# Altium PCB PASS Capstone.PcbDoc (part 5 of 6) (continued)
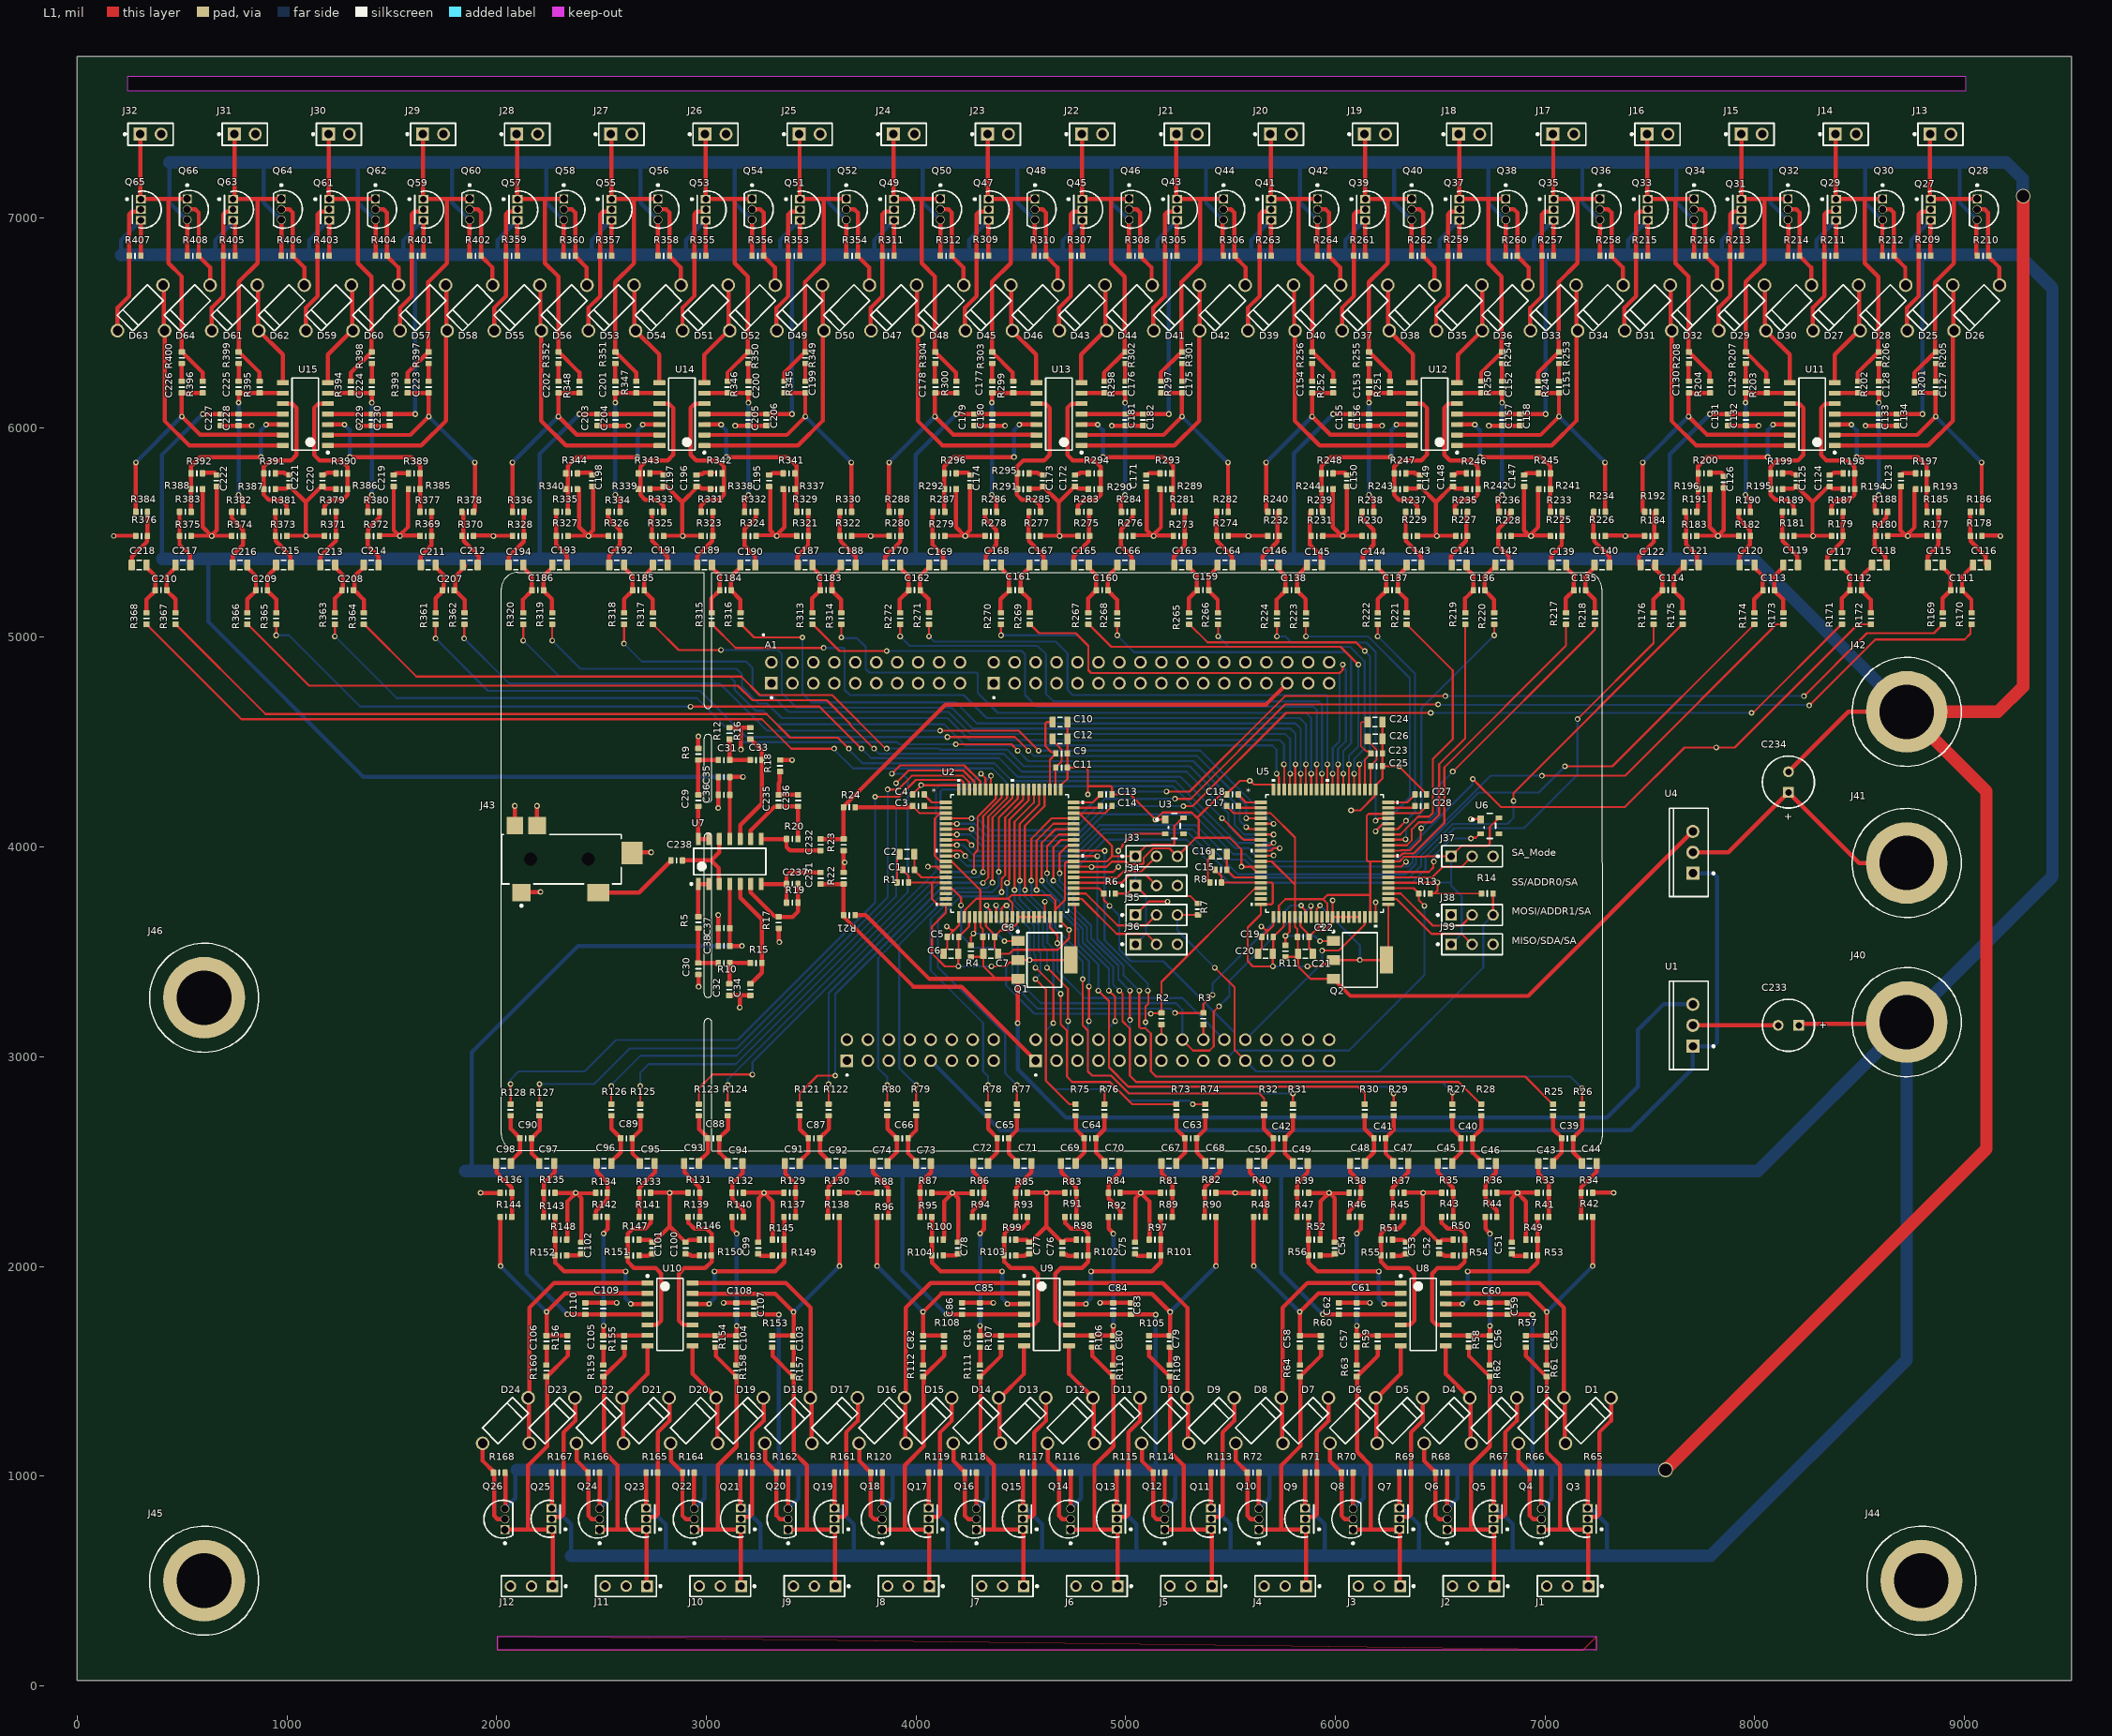
[diagram p0: L1 view]
## Nets (pads, with @x,y where several pads share a name; then routed paths per layer and width w, separated by ;. In a path a pad name is that pad's centre, name@x,y a point inside that pad or via, vN(x,y) a via of type N, cw(c..) or ccw(c..) an arc to the next point about the centre after c; other vN are vias at no path point) (continued)
NetR73_1: R73.1 U2.64 | length 2067.2
  L1 w10: v1(4519.5,3795) 4519.5,4101.19 4613.41,4195.1 U2.64@4613.41,4274.49 ; v1(4690,3300) 4690,3155 4720,3125 4720,2905 4745,2880 4925,2880 5031.22,2773.78 R73.1@5241.43,2773.78
  L2 w10: v1(4519.5,3795) 4519.5,3765.5 4626.5,3658.5 4626.5,3543.5 4655,3515 4655,3335 v1(4690,3300)
NetR74_1: R74.1 U2.65 | length 2220.5
  L1 w10: v1(4495,3840) 4495,4110 4587.82,4202.82 U2.65@4587.82,4274.49 ; v1(4625,3425) 4725,3325 v1(4725,3170) ; v1(5320,2773.78) R74.1@5379.73,2773.78
  L2 w10: v1(4495,3840) 4495,3750 4605,3640 4605,3530 4625,3510 v1(4625,3425) ; v1(4725,3170) 4725,3132.66 4718.67,3126.33 4718.67,2906.33 4745,2880 4924.88,2880 5014.88,2790 5303.78,2790 v1(5320,2773.78)
NetR75_1: R75.1 U2.66 | length 1697.1
  L1 w10: v1(4470,3795) 4470,4120 4562.23,4212.23 U2.66@4562.23,4274.49 ; v1(4570,3370.67) 4620,3320.67 4620,2885.11 4731.34,2773.78 R75.1@4760.99,2773.78
  L2 w10: v1(4470,3795) 4470,3745 4585,3630 4585,3505 4594.5,3495.5 4594.5,3395.17 v1(4570,3370.67)
NetR76_1: R76.1 U2.67 | length 1904
  L1 w10: v1(4434.27,3829.61) 4434.27,3833.24 4445,3843.96 4445,4130 4536.64,4221.64 U2.67@4536.64,4274.49 ; v1(4570,3425) 4655,3340 v1(4655,3160) ; R76.1@4898.91,2773.78 v1(4898.91,2845)
  L2 w10: v1(4434.27,3829.61) 4434.27,3755.63 4562.23,3627.68 4562.23,3491.22 4569.64,3483.81 4569.64,3425.36 v1(4570,3425) ; v1(4655,3160) 4620,3125 4620,2885.86 4660.86,2845 v1(4898.91,2845)
NetR77_1: R77.1 U2.68 | length 1927.8
  L1 w10: v1(4408.68,3785) 4408.68,3848.68 4425,3865 4425,4140.13 4511.05,4226.18 U2.68@4511.05,4274.49 ; R77.1@4481.34,2773.78 v1(4481.34,2865)
  L2 w10: v1(4408.68,3785) 4388.68,3765 4212.83,3765 4105,3657.17 4105,3427.97 4425,3107.97 4425,2921.34 v1(4481.34,2865)
NetR78_1: R78.1 U2.69 | length 1882.3
  L1 w10: R78.1@4343.43,2773.78 v1(4343.43,2865) ; v1(4395,3881.47) 4395,4140.73 4485.46,4231.18 U2.69@4485.46,4274.49
  L2 w10: v1(4343.43,2865) 4343.43,2906.57 4320,2930 4320,3161.51 4070,3411.51 4070,3655.65 4199.35,3785 4363.68,3785 4395,3816.32 v1(4395,3881.47)
NetR79_1: R79.1 U2.70 | length 1845.7
  L1 w10: R79.1@4000.91,2773.78 v1(4000.91,2865) ; v1(4365,3830) 4365,4140 4459.87,4234.87 U2.70@4459.87,4274.49
  L2 w10: v1(4000.91,2865) 3920,2945.91 3920,3535 4189.02,3804.02 4339.02,3804.02 v1(4365,3830)
NetR80_1: R80.1 U2.71 | length 1855.2
  L1 w10: R80.1@3862.99,2773.78 v1(3862.99,2865) ; v1(4320,3829.61) 4345,3854.61 4345,4145.5 4434.27,4234.78 U2.71@4434.27,4274.49
  L2 w10: v1(3862.99,2865) 3862.99,2902.01 3820,2945 3820,3470 4179.61,3829.61 v1(4320,3829.61)
NetR89_1: R89.1 R97.1 R101.1 U9.12 | length 812.4
  L1 w20: U9.12@4730.33,1821.22 v1(4810.03,1821.22) ; v1(4835.03,1976.22) 5125.22,1976.22 5167.92,2018.92 R101.1@5167.92,2052.57 ; R101.1@5167.92,2051.22 5167.92,2126.22 R89.1@5167.92,2236.22
  L2 w20: v1@4810.03,1823.11 4835.03,1848.11 v1(4835.03,1976.22)
NetR91_1: R91.1 R98.1 R102.1 U9.10 | length 775
  L1 w20: R91.1@4711.1,2236.22 4711.18,2236.14 4711.18,2207.82 4739,2180 4797.59,2180 4820.95,2156.65 R98.1@4820.95,2127.57 ; U9.10@4730.33,1721.22 4685.03,1721.22 4665.03,1741.22 4665.03,1966.22 4691.18,1992.37 4791.37,1992.37 4820.95,2021.95 R102.1@4820.95,2052.57 ; R102.1@4820.95,2051.22 R98.1@4820.95,2129.53
NetR93_1: R93.1 R99.1 R103.1 U9.5 | length 776.8
  L1 w20: R103.1@4421.7,2051.22 R99.1@4421.7,2128.18 ; R103.1@4421.7,2052.57 4421.7,2022.29 4451.63,1992.37 4554.92,1992.37 4581.07,1966.22 4581.07,1741.22 4561.07,1721.22 U9.5@4515.76,1721.22 ; R99.1@4422.1,2127.57 4422.1,2156.65 4445.45,2180 4504.05,2180 4531.86,2207.82 R93.1@4531.86,2236.14
NetR95_1: R95.1 R100.1 R104.1 U9.3 | length 816.9
  L1 w20: R100.1@4076.22,2126.22 R95.1@4076.22,2236.22 ; R100.1@4076.22,2127.57 4076.22,2017.78 4117.78,1976.22 v1(4411.07,1976.22) ; v1(4436.07,1821.22) U9.3@4515.76,1821.22
  L2 w20: v1(4411.07,1976.22) 4411.07,1848.11 4436.07,1823.11 v1(4436.07,1821.22)
NetR121_1: R121.1 U2.72 | length 2021.8
  L1 w10: R121.1@3444.63,2773.78 3444.63,2824.63 3530,2910 v1(3615,2910) ; v1(4320,3880.79) 4320,4147.37 4408.68,4236.06 U2.72@4408.68,4274.49
  L2 w10: v1(3615,2910) 3615,3298.72 4171.48,3855.2 4294.41,3855.2 v1(4320,3880.79)
NetR122_1: R122.1 U2.73 | length 1899.4
  L1 w10: R122.1@3583.28,2773.78 v1(3583.28,2870) ; v1(4276.47,3881.47) 4276.47,3966.47 4295,3985 4295,4145 4380.95,4230.95 4380.95,4272.34 U2.73@4383.09,4274.49
  L2 w10: v1(3583.28,2870) 3583.28,3303.28 4161.47,3881.47 v1(4276.47,3881.47)
NetR123_1: R123.1 U2.74 | length 2418.3
  L1 w10: R123.1@2964.19,2773.78 2964.19,2849.19 3030,2915 v1(3220,2915) ; U2.74@4357.5,4274.49 v1(4357.5,4340)
  L2 w10: v1(3220,2915) 3220,2975 4116.77,3871.77 4116.77,4266.77 4124.49,4274.49 4291.99,4274.49 v1(4357.5,4340)
NetR124_1: R124.1 U2.75 | length 2243.7
  L1 w10: R124.1@3102.45,2773.78 v1(3102.45,2865) ; v1(4310,4350) 4331.91,4328.09 U2.75@4331.91,4274.49
  L2 w10: v1(3102.45,2865) 3102.45,2890.66 4095,3883.21 4095,4276.26 4118.74,4300 4260,4300 v1(4310,4350)
NetR125_1: R125.1 U2.76 | length 2916.5
  L1 w10: R125.1@2684.89,2773.78 v1(2684.89,2860) ; v1(3885,4350) 3925,4390 4230,4390 4306.32,4313.68 U2.76@4306.32,4274.49
  L2 w10: v1(2684.89,2860) 2684.89,2924.89 2725,2965 3140,2965 3960,3785 3960,4325 3935,4350 v1(3885,4350)
NetR126_1: R126.1 U2.77 | length 2821
  L1 w10: R126.1@2546.97,2773.78 v1(2546.97,2860) ; v1(3905,4305) 3965,4365 4225.66,4365 4279.34,4311.32 4279.34,4275.88 U2.77@4280.73,4274.49
  L2 w10: v1(2546.97,2860) 2546.97,2864.6 2554.54,2872.17 2554.54,2872.74 2686.8,3005 3145,3005 3905,3765 v1(3905,4305)
NetR127_1: R127.1 U2.78 | length 3104.8
  L1 w10: R127.1@2204.45,2773.78 v1(2204.45,2870) ; v1(3865,4275) 3915,4275 3980,4340 4224.1,4340 4253.26,4310.83 4253.26,4276.36 U2.78@4255.14,4274.49
  L2 w10: v1(2204.45,2870) 2465,2870 2635,3040 3145,3040 3865,3760 v1(3865,4275)
NetR128_1: R128.1 U2.79 | length 3205.3
  L1 w10: R128.1@2066.53,2773.78 v1(2066.53,2870) ; v1(3805,4240) 3919.84,4240 3999.84,4320 4215,4320 4226.08,4308.92 4226.08,4277.95 U2.79@4229.55,4274.49
  L2 w10: v1(2066.53,2870) 2066.53,2891.53 2105,2930 2420,2930 2570,3080 3150,3080 3805,3735 v1(3805,4240)
NetR137_1: R137.1 R145.1 R149.1 U10.12 | length 812.4
  L1 w20: U10.12@2934.33,1821.22 v1(3014.03,1821.22) ; v1(3039.03,1976.22) 3329.22,1976.22 3371.91,2018.92 R149.1@3371.91,2052.57 ; R149.1@3371.91,2051.22 3371.91,2126.22 R137.1@3371.91,2236.22
  L2 w20: v1@3014.03,1823.11 3039.03,1848.11 v1(3039.03,1976.22)
NetR139_1: R139.1 R146.1 R150.1 U10.10 | length 775
  L1 w20: R139.1@2915.1,2236.22 2915.18,2236.14 2915.18,2207.82 2943,2180 3001.59,2180 3024.95,2156.65 R146.1@3024.95,2127.57 ; U10.10@2934.33,1721.22 2889.03,1721.22 2869.03,1741.22 2869.03,1966.22 2895.18,1992.37 2995.37,1992.37 3024.95,2021.95 R150.1@3024.95,2052.57 ; R150.1@3024.95,2051.22 R146.1@3024.95,2129.53
NetR141_1: R141.1 R147.1 R151.1 U10.5 | length 776.8
  L1 w20: R151.1@2625.7,2051.22 R147.1@2625.7,2128.18 ; R151.1@2625.7,2052.57 2625.7,2022.29 2655.63,1992.37 2758.92,1992.37 2785.07,1966.22 2785.07,1741.22 2765.07,1721.22 U10.5@2719.76,1721.22 ; R147.1@2626.1,2127.57 2626.1,2156.65 2649.45,2180 2708.05,2180 2735.86,2207.82 R141.1@2735.86,2236.14
NetR143_1: R143.1 R148.1 R152.1 U10.3 | length 816.9
  L1 w20: R148.1@2280.22,2126.22 R143.1@2280.22,2236.22 ; R148.1@2280.22,2127.57 2280.22,2017.78 2321.78,1976.22 v1(2615.07,1976.22) ; v1(2640.07,1821.22) U10.3@2719.76,1821.22
  L2 w20: v1(2615.07,1976.22) 2615.07,1848.11 2640.07,1823.11 v1(2640.07,1821.22)
NetR169_1: R169.1 U2.4 | length 5184.2
  L1 w10: U2.4@4142.94,4136.69 v1(4265,4136.69) ; v1(5195,4265) 5305,4265 5760,4720 v1(6525,4720) ; v1(8235,4720) 8535,5020 8854.26,5020 R169.1@8896.7,5062.44
  L2 w10: v1(4265,4136.69) 4265.19,4136.5 4293.5,4136.5 4350,4080 4710.42,4080 4895.42,4265 v1(5195,4265) ; v1(6525,4720) v1(8235,4720)
NetR170_1: R170.1 U2.5 | length 5359.3
  L1 w10: U2.5@4142.94,4111.1 v1(4195,4111.1) ; v1(5235,4230) 5310,4230 5760,4680 v1(6490,4680) ; v1(8260,4675) 8575,4990 9001.35,4990 9028.76,5017.41 9028.76,5056.58 R170.1@9034.62,5062.44
  L2 w10: v1(4195,4111.1) 4278.9,4111.1 4335,4055 4726.91,4055 4901.91,4230 v1(5235,4230) ; v1(6490,4680) 6492.5,4677.5 8257.5,4677.5 v1(8260,4675)
NetR171_1: R171.1 U2.6 | length 4724
  L1 w10: U2.6@4142.94,4085.51 v1(4265,4085.51) ; v1(5275.38,4195) 5320,4195 5765,4640 v1(6455,4640) ; v1(7985,4640) 7988.25,4643.25 7995.12,4643.25 8414.31,5062.44 R171.1@8416.27,5062.44
  L2 w10: v1(4265,4085.51) 4320.51,4030 4739.02,4030 4904.02,4195 v1(5275.38,4195) ; v1(6455,4640) v1(7985,4640)
NetR172_1: R172.1 U2.7 | length 5183.1
  L1 w10: U2.7@4142.94,4059.92 v1(4195,4059.92) ; v1(6655.38,4325) 6789.7,4190.68 7380.68,4190.68 7665,4475 v1(7816.35,4475) 7905,4475 8492.44,5062.44 R172.1@8554.18,5062.44
  L2 w10: v1(4195,4059.92) 4260.08,4059.92 4315,4005 4745,4005 4895.72,4155.72 5324.28,4155.72 5513.78,3966.22 5571.76,3966.22 5606.01,3931.97 6286.97,3931.97 6655.38,4300.38 v1(6655.38,4325)
NetR173_1: R173.1 U2.8 | length 4654.7
  L1 w10: U2.8@4142.94,4034.33 4241.95,4034.33 4265,4011.28 v1(4265,4008.74) ; v1(6985,4340) 7381.24,4340 8103.68,5062.44 R173.1@8136.96,5062.44
  L2 w10: v1(4265,4008.74) 4293.74,3980 4749.23,3980 4874.23,4105 5335,4105 5500,3940 5566.97,3940 5600.59,3906.38 6252.82,3906.38 6252.9,3906.3 6346.8,3906.3 6369,3928.5 6369,3968.89 6740.11,4340 v1(6985,4340)
NetR174_1: R174.1 U2.9 | length 4539.5
  L1 w10: U2.9@4142.94,4008.74 v1(4195,4008.74) ; v1(7095,4385) 7321.26,4385 7988.74,5052.48 7988.74,5054.44 7996.74,5062.44 R174.1@7998.7,5062.44
  L2 w10: v1(4195,4008.74) 4196.09,4009.83 4225.17,4009.83 4277.44,3957.56 4757.56,3957.56 4885,4085 5320,4085 5535,3870 6335,3870 6385,3920 6385,3962.26 6682.74,4260 6970,4260 v1(7095,4385)
NetR175_1: R175.1 U2.10 | length 4277.1
  L1 w10: U2.10@4142.94,3983.15 4213.22,3983.15 4235,3961.37 v1(4235,3957.56) ; v1(6850,4220) 6850,4257.88 7654.56,5062.44 R175.1@7656.52,5062.44
  L2 w10: v1(4235,3957.56) 4257.56,3935 4765,3935 4897.49,4067.49 5299.77,4067.49 5513.25,3854 6352.5,3854 6409,3910.5 6409,3959 6560,4110 6820,4110 6850,4140 v1(6850,4220)
NetR176_1: R176.1 U2.11 | length 4283.2
  L1 w10: U2.11@4142.94,3957.56 v1(4195,3957.56) ; v1(7155,4610) 7517.88,4972.88 R176.1@7517.88,5062.44
  L2 w10: v1(4195,3957.56) 4242.56,3910 4775,3910 4900,4035 5290,4035 5495,3830 6365.19,3830 6430,3894.81 6430,3952.37 6567.63,4090 6900,4090 7155,4345 v1(7155,4610)
NetR185_1: R185.1 R193.1 R197.1 U11.3 | length 816.9
  L1 w20: U11.3@8381.39,6015 v1(8461.09,6015) ; v1(8486.09,5860) 8779.38,5860 8820.94,5818.44 R193.1@8820.94,5708.65 ; R185.1@8820.94,5600 R193.1@8820.94,5710
  L2 w20: v1(8461.09,6015) 8461.09,6013.11 8486.09,5988.11 v1(8486.09,5860)
NetR187_1: R187.1 R194.1 R198.1 U11.5 | length 776.8
  L1 w20: R187.1@8365.29,5600.08 8365.29,5628.4 8393.11,5656.22 8451.7,5656.22 8475.06,5679.57 R194.1@8475.06,5708.65 ; U11.5@8381.39,6115 8336.09,6115 8316.09,6095 8316.09,5870 8342.24,5843.85 8445.53,5843.85 8475.45,5813.93 R198.1@8475.45,5783.65 ; R194.1@8475.45,5708.04 R198.1@8475.45,5785
NetR189_1: R189.1 R195.1 R199.1 U11.10 | length 775
  L1 w20: R195.1@8076.21,5706.69 R199.1@8076.21,5785 ; R195.1@8076.21,5708.65 8076.21,5679.57 8099.56,5656.22 8158.16,5656.22 8185.97,5628.4 8185.97,5600.08 R189.1@8186.05,5600 ; R199.1@8076.21,5783.65 8076.21,5814.27 8105.78,5843.85 8205.98,5843.85 8232.13,5870 8232.13,6095 8212.13,6115 U11.10@8166.82,6115
NetR191_1: R191.1 R196.1 R200.1 U11.12 | length 812.4
  L1 w20: R191.1@7729.24,5600 7729.24,5710 R200.1@7729.24,5785 ; R200.1@7729.24,5783.65 7729.24,5817.3 7771.94,5860 v1(8062.13,5860) ; v1(8087.13,6015) U11.12@8166.82,6015
  L2 w20: v1(8062.13,5860) 8062.13,5988.11 v1@8087.13,6013.11
NetR217_1: R217.1 U5.50 | length 1520.2
  L1 w10: U5.50@6252.82,3957.56 6308.97,3957.56 6320.71,3969.3 6374.3,3969.3 6520,4115 6520,4380 7100.25,4960.25 R217.1@7100.25,5062.44
NetR218_1: R218.1 U5.51 | length 1546.7
  L1 w10: U5.51@6252.82,3983.15 6311.93,3983.15 6314.08,3985.3 6356.07,3985.3 6406.75,4035.98 6406.75,4086.75 v1(6410,4090) ; v1(6560,4360) 7238.16,5038.16 R218.1@7238.16,5062.44
  L2 w10: v1(6410,4090) 6485,4165 6485,4285 v1(6560,4360)
NetR219_1: R219.1 U5.52 | length 1292.6
  L1 w10: U5.52@6252.82,4008.74 6341.11,4008.74 6365,4032.63 6365,4085 6398.44,4118.44 6458.44,4118.44 6495,4155 6495,4395 6619.81,4519.81 R219.1@6619.81,5062.44
NetR220_1: R220.1 U5.53 | length 1283.7
  L1 w10: U5.53@6252.82,4034.33 6254.24,4035.75 6333.48,4035.75 v1(6334.9,4037.17) ; v1(6757.73,5010) R220.1@6757.73,5062.44
  L2 w10: v1(6334.9,4037.17) 6337.07,4039.34 6337.07,4090.35 6410,4163.28 6410,4662.27 v1(6757.73,5010)
NetR221_1: R221.1 U5.54 | length 1285.9
  L1 w10: U5.54@6252.82,4059.92 6309.92,4059.92 6395,4145 6447.07,4145 6465,4162.93 6465,4420 6560,4515 6560,4842.6 6350.12,5052.48 6350.12,5054.44 6342.12,5062.44 R221.1@6340.16,5062.44
NetR222_1: R222.1 U5.55 | length 1129.5
  L1 w10: v1(6202.25,5005) R222.1@6202.25,5062.44 ; U5.55@6252.82,4085.51 6297.58,4085.51 v1(6337.07,4125)
  L2 w10: v1(6202.25,5005) 6380,4827.25 6380,4167.93 v1(6337.07,4125)
NetR223_1: R223.1 U5.56 | length 1510.3
  L1 w10: v1(5859.73,5005) R223.1@5859.73,5062.44 ; v1(6191.79,4075) 6191.79,4077.05 6222.38,4107.64 6249.35,4107.64 U5.56@6252.82,4111.1
  L2 w10: v1(5859.73,5005) 6155,5005 6355,4805 6355,4238.21 v1(6191.79,4075)
NetR224_1: R224.1 U5.57 | length 1430
  L1 w10: v1(5721.42,5005) R224.1@5721.42,5062.44 ; v1(6191.79,4125) 6196.39,4125 6208.09,4136.69 U5.57@6252.82,4136.69
  L2 w10: v1(5721.42,5005) 5761.35,5005 5791.35,4975 6147.25,4975 6191.79,4930.45 v1(6191.79,4125)
NetR233_1: R233.1 R241.1 R245.1 U12.3 | length 816.9
  L1 w20: U12.3@6585.39,6015 v1(6665.09,6015) ; v1(6690.09,5860) 6983.38,5860 7024.94,5818.44 R241.1@7024.94,5708.65 ; R233.1@7024.94,5600 R241.1@7024.94,5710
  L2 w20: v1(6665.09,6015) 6665.09,6013.11 6690.09,5988.11 v1(6690.09,5860)
NetR235_1: R235.1 R242.1 R246.1 U12.5 | length 776.8
  L1 w20: R235.1@6569.29,5600.08 6569.29,5628.4 6597.11,5656.22 6655.7,5656.22 6679.06,5679.57 R242.1@6679.06,5708.65 ; U12.5@6585.39,6115 6540.09,6115 6520.09,6095 6520.09,5870 6546.24,5843.85 6649.53,5843.85 6679.45,5813.93 R246.1@6679.45,5783.65 ; R242.1@6679.45,5708.04 R246.1@6679.45,5785
NetR237_1: R237.1 R243.1 R247.1 U12.10 | length 775
  L1 w20: R243.1@6280.21,5706.69 R247.1@6280.21,5785 ; R243.1@6280.21,5708.65 6280.21,5679.57 6303.56,5656.22 6362.15,5656.22 6389.97,5628.4 6389.97,5600.08 R237.1@6390.05,5600 ; R247.1@6280.21,5783.65 6280.21,5814.27 6309.78,5843.85 6409.98,5843.85 6436.13,5870 6436.13,6095 6416.13,6115 U12.10@6370.82,6115
NetR239_1: R239.1 R244.1 R248.1 U12.12 | length 812.4
  L1 w20: R239.1@5933.24,5600 5933.24,5710 R248.1@5933.24,5785 ; R248.1@5933.24,5783.65 5933.24,5817.3 5975.93,5860 v1(6266.13,5860) ; v1(6291.13,6015) U12.12@6370.82,6015
  L2 w20: v1(6266.13,5860) 6266.13,5988.11 v1@6291.13,6013.11
NetR265_1: R265.1 U5.64 | length 1582.6
  L1 w10: R265.1@5302.37,5062.44 5304.33,5062.44 5390.42,4976.35 6098.65,4976.35 v1(6140,4935) ; U5.64@6115.02,4274.49 v1(6115.02,4395)
  L2 w10: v1(6115.02,4395) 6116.06,4395 6165,4443.94 6165,4910 v1(6140,4935)
NetR266_1: R266.1 U5.65 | length 1437.7
  L1 w10: R266.1@5440.28,5062.44 5440.82,5061.91 5440.82,5005.53 v1(5441.35,5005) ; U5.65@6089.43,4274.49 6089.72,4274.77 6089.72,4349.72 v1(6090,4350)
  L2 w10: v1(5441.35,5005) 5491.35,4955 6070,4955 6140,4885 6140,4470 6090,4420 v1(6090,4350)
NetR267_1: R267.1 U5.66 | length 1982.4
  L1 w10: R267.1@4821.93,5062.44 4823.89,5062.44 4931.33,4955 6025,4955 v1(6110,4870) ; U5.66@6063.84,4274.49 6064.42,4275.07 6064.42,4394.42 v1(6065,4395)
  L2 w10: v1(6065,4395) 6065,4435 6110,4480 v1(6110,4870)
NetR268_1: R268.1 U5.67 | length 1856.8
  L1 w10: v1(4959.85,5010) R268.1@4959.85,5062.44 ; U5.67@6038.25,4274.49 v1(6038.25,4350)
  L2 w10: v1(4959.85,5010) 5039.85,4930 6050,4930 6075,4905 6075,4495 6038.25,4458.25 v1(6038.25,4350)
NetR269_1: R269.1 U5.68 | length 2305.6
  L1 w10: R269.1@4542.62,5062.44 4544.58,5062.44 4587.02,5020 4761.93,5020 4821.93,4960 4821.93,4843.07 4835,4830 6020,4830 6035,4845 v1(6035,4870) ; U5.68@6012.66,4274.49 v1(6012.66,4395)
  L2 w10: v1(6012.66,4395) 6012.66,4467.66 6050,4505 6050,4845.64 6038.25,4857.39 6038.25,4866.75 v1(6035,4870)
NetR270_1: R270.1 U5.69 | length 2375.9
  L1 w10: v1(4405.34,5010) R270.1@4405.34,5062.44 ; U5.69@5987.07,4274.49 v1(5987.07,4350)
  L2 w10: v1(4405.34,5010) 4771.93,5010 4821.93,4960 4821.93,4843.07 4835,4830 6014.14,4830 6020,4824.14 6020,4505 5987.48,4472.48 5987.48,4350.41 v1(5987.07,4350)
NetR271_1: R271.1 U5.70 | length 2623.8
  L1 w10: v1(4062.19,5005) R271.1@4062.19,5062.44 R271.1@4064.15,5062.44 ; U5.70@5961.48,4274.49 v1(5961.48,4395)
  L2 w10: v1(4062.19,5005) 4087.19,4980 4666.21,4980 4722.07,4924.14 4722.07,4750 4747.07,4725 5955.62,4725 5961.48,4719.14 v1(5961.48,4395)
NetR272_1: R272.1 U5.71 | length 2719.7
  L1 w10: v1(3924.52,5005) R272.1@3924.52,5062.44 ; U5.71@5935.89,4274.49 v1(5935.89,4350)
  L2 w10: v1(3924.52,5005) 3969.52,4960 4580,4960 4620,4920 4620,4730 4655,4695 5920,4695 5935.89,4679.11 v1(5935.89,4350)
NetR281_1: R281.1 R289.1 R293.1 U13.3 | length 816.9
  L1 w20: U13.3@4787.05,6015 v1(4866.75,6015) ; v1(4891.75,5860) 5185.04,5860 5226.6,5818.44 R289.1@5226.6,5708.65 ; R281.1@5226.6,5600 R289.1@5226.6,5710
  L2 w20: v1(4866.75,6015) 4866.75,6013.11 4891.75,5988.11 v1(4891.75,5860)
NetR283_1: R283.1 R290.1 R294.1 U13.5 | length 776.8
  L1 w20: R283.1@4770.96,5600.08 4770.96,5628.4 4798.77,5656.22 4857.37,5656.22 4880.72,5679.57 R290.1@4880.72,5708.65 ; U13.5@4787.05,6115 4741.75,6115 4721.75,6095 4721.75,5870 4747.9,5843.85 4851.19,5843.85 4881.11,5813.93 R294.1@4881.11,5783.65 ; R290.1@4881.11,5708.04 R294.1@4881.11,5785
NetR285_1: R285.1 R291.1 R295.1 U13.10 | length 775
  L1 w20: R291.1@4481.87,5706.69 R295.1@4481.87,5785 ; R291.1@4481.87,5708.65 4481.87,5679.57 4505.22,5656.22 4563.82,5656.22 4591.63,5628.4 4591.63,5600.08 R285.1@4591.71,5600 ; R295.1@4481.87,5783.65 4481.87,5814.27 4511.45,5843.85 4611.64,5843.85 4637.79,5870 4637.79,6095 4617.79,6115 U13.10@4572.49,6115
NetR287_1: R287.1 R292.1 R296.1 U13.12 | length 812.4
  L1 w20: R287.1@4134.9,5600 4134.9,5710 R296.1@4134.9,5785 ; R296.1@4134.9,5783.65 4134.9,5817.3 4177.6,5860 v1(4467.79,5860) ; v1(4492.79,6015) U13.12@4572.49,6015
  L2 w20: v1(4467.79,5860) 4467.79,5988.11 v1@4492.79,6013.11
NetR313_1: R313.1 U5.72 | length 3068.1
  L1 w10: R313.1@3505.91,5062.44 3507.87,5062.44 3635.31,4935 v1(3860,4935) ; U5.72@5910.3,4274.49 5910.84,4275.03 5910.84,4394.45 v1(5911.39,4395)
  L2 w10: v1(3860,4935) 4504.14,4935 4520,4919.14 4520,4725 4575,4670 5895,4670 5911.39,4653.61 v1(5911.39,4395)
NetR314_1: R314.1 U5.73 | length 2918.2
  L1 w10: v1(3643.83,5000) R314.1@3643.83,5062.44 ; U5.73@5884.71,4274.49 5884.85,4274.63 5884.85,4349.85 v1(5885,4350)
  L2 w10: v1(3643.83,5000) 3647.08,4996.75 3718.25,4996.75 3760,4955 3760,4850 3778.07,4831.93 4289.14,4831.93 4295,4826.08 4295,4735.59 4390.59,4640 5860,4640 5885,4615 v1(5885,4350)
NetR315_1: R315.1 U5.74 | length 3456.9
  L1 w10: R315.1@3025.47,5062.44 3027.43,5062.44 3139.88,4950 v1(3560,4950) ; U5.74@5859.12,4274.49 5859.56,4274.93 5859.56,4394.56 v1(5860,4395)
  L2 w10: v1(3560,4950) 3654.14,4950 3660,4944.14 3660,4750 3685,4725 4227.32,4725 4337.32,4615 5830,4615 5860,4585 v1(5860,4395)
NetR316_1: R316.1 U5.75 | length 3324.9
  L1 w10: R316.1@3163.39,5062.44 3165.35,5062.44 3227.79,5000 v1(3458.82,5000) ; U5.75@5833.53,4274.49 5834.26,4275.23 5834.26,4349.26 v1(5835,4350)
  L2 w10: v1(3458.82,5000) 3458.82,4733.5 3502.32,4690 4190,4690 4290,4590 5810,4590 5835,4565 v1(5835,4350)
NetR317_1: R317.1 U5.76 | length 3656.5
  L1 w10: R317.1@2745.83,5062.44 2747.79,5062.44 2755.79,5054.44 2755.79,5052.48 2868.27,4940 v1(3070,4940) ; U5.76@5807.94,4274.49 5808.97,4275.52 5808.97,4393.97 v1(5810,4395)
  L2 w10: v1(3070,4940) 3340,4940 3360,4920 3360,4735 3430,4665 4170,4665 4270,4565 5785,4565 5810,4540 v1(5810,4395)
NetR318_1: R318.1 U5.77 | length 3757.7
  L1 w10: v1(2607.91,4970) R318.1@2607.91,5062.44 ; U5.77@5782.35,4274.49 5783.41,4275.55 5783.41,4348.94 v1(5784.47,4350)
  L2 w10: v1(2607.91,4970) 2692.91,4885 3190,4885 3220,4855 3220,4755 3255,4720 3317.32,4720 3392.32,4645 4155,4645 4260,4540 5760,4540 5784.47,4515.53 v1(5784.47,4350)
NetR319_1: R319.1 U5.78 | length 4023.5
  L1 w10: v1(2265.39,4985) R319.1@2265.39,5062.44 ; v1(5755,4395) 5755.88,4394.12 5755.88,4275.37 U5.78@5756.76,4274.49
  L2 w10: v1(2265.39,4985) 2400.39,4850 3145,4850 3170,4825 3170,4765 3250,4685 3290,4685 3360,4615 4150,4615 4255,4510 5735,4510 5755,4490 v1(5755,4395)
NetR320_1: R320.1 U5.79 | length 4104.3
  L1 w10: v1(2127.08,4985) R320.1@2127.08,5062.44 ; v1(5720,4350) 5720,4345.4 5731.16,4334.24 U5.79@5731.16,4274.49
  L2 w10: v1(2127.08,4985) 2298.97,4813.11 3111.89,4813.11 3135,4790 3135,4750 3235,4650 3272.44,4650 3337.44,4585 4135,4585 4235,4485 5700,4485 5720,4465 v1(5720,4350)
NetR329_1: R329.1 R337.1 R341.1 U14.3 | length 816.9
  L1 w20: U14.3@2991.05,6015 v1(3070.75,6015) ; v1(3095.75,5860) 3389.04,5860 3430.6,5818.44 R337.1@3430.6,5708.65 ; R329.1@3430.6,5600 R337.1@3430.6,5710
  L2 w20: v1(3070.75,6015) 3070.75,6013.11 3095.75,5988.11 v1(3095.75,5860)
NetR331_1: R331.1 R338.1 R342.1 U14.5 | length 776.8
  L1 w20: R331.1@2974.95,5600.08 2974.95,5628.4 3002.77,5656.22 3061.36,5656.22 3084.72,5679.57 R338.1@3084.72,5708.65 ; U14.5@2991.05,6115 2945.75,6115 2925.75,6095 2925.75,5870 2951.9,5843.85 3055.19,5843.85 3085.11,5813.93 R342.1@3085.11,5783.65 ; R338.1@3085.11,5708.04 R342.1@3085.11,5785
NetR333_1: R333.1 R339.1 R343.1 U14.10 | length 775
  L1 w20: R339.1@2685.87,5706.69 R343.1@2685.87,5785 ; R339.1@2685.87,5708.65 2685.87,5679.57 2709.22,5656.22 2767.82,5656.22 2795.63,5628.4 2795.63,5600.08 R333.1@2795.71,5600 ; R343.1@2685.87,5783.65 2685.87,5814.27 2715.45,5843.85 2815.64,5843.85 2841.79,5870 2841.79,6095 2821.79,6115 U14.10@2776.49,6115
NetR335_1: R335.1 R340.1 R344.1 U14.12 | length 812.4
  L1 w20: R335.1@2338.9,5600 2338.9,5710 R344.1@2338.9,5785 ; R344.1@2338.9,5783.65 2338.9,5817.3 2381.6,5860 v1(2671.79,5860) ; v1(2696.79,6015) U14.12@2776.49,6015
  L2 w20: v1(2671.79,5860) 2671.79,5988.11 v1@2696.79,6013.11
NetR361_1: R361.1 U5.4 | length 4395
  L1 w10: v1(1709.01,4995) R361.1@1709.01,5062.44 ; v1(4150,4525) 4471.64,4525 v1(4536.64,4460) ; v1(5575,4137.78) 5575.55,4137.24 5644,4137.24 U5.4@5644.55,4136.69
  L2 w10: v1(1709.01,4995) 1959.01,4745 2970,4745 3190,4525 v1(4150,4525) ; v1(4536.64,4460) 4561.64,4435 5340,4435 5575,4200 v1(5575,4137.78)
NetR362_1: R362.1 U5.5 | length 4356
  L1 w10: v1(1845,4995) 1845.96,4995.96 1845.96,5061.48 R362.1@1846.92,5062.44 ; v1(4115,4555) 4490,4555 v1(4585,4460) ; U5.5@5644.55,4111.1 v1(5705.57,4111.1)
  L2 w10: v1(1845,4995) 2060,4780 3065,4780 3290,4555 v1(4115,4555) ; v1(4585,4460) 5356.68,4460 v1(5705.57,4111.1)
NetR363_1: R363.1 U5.6 | length 4891.2
  L1 w10: v1(1228.57,5005) R363.1@1228.57,5062.44 ; v1(4190,4490) 4455.46,4490 v1(4485.46,4460) ; v1(5575,4095) 5579.6,4095 5589.09,4085.51 U5.6@5644.55,4085.51
  L2 w10: v1(1228.57,5005) 1523.57,4710 2955,4710 3165,4500 3910,4500 3920,4490 v1(4190,4490) ; v1(4485.46,4460) 4535.46,4410 5322.94,4410 5543.96,4188.98 5543.96,4126.04 v1(5575,4095)
NetR364_1: R364.1 U5.7 | length 4855.4
  L1 w10: R364.1@1366.49,5062.44 1368.45,5062.44 1617.78,4813.11 3166.89,4813.11 3255,4725 3600,4725 3855.5,4469.5 v1(3860,4469.5) ; U5.7@5644.55,4059.92 v1(5705.57,4059.92)
  L2 w10: v1(3860,4469.5) 3861.25,4468.25 3872.61,4468.25 3874.36,4470 4110,4470 4115,4465 4435,4465 4515,4385 5305.89,4385 5520,4170.89 5520,4105 5565.08,4059.92 v1(5705.57,4059.92)
NetR365_1: R365.1 U5.8 | length 5152.2
  L1 w10: v1(948.92,5010) R365.1@948.92,5062.44 ; v1(2925,4670) 3539.5,4670 v1(3740,4469.5) ; v1(5460,4137.78) 5563.45,4034.33 U5.8@5644.55,4034.33
  L2 w10: v1(948.92,5010) 1009.7,5010 1349.7,4670 v1(2925,4670) ; v1(3740,4469.5) 3785.5,4424 4396,4424 4485,4335 5262.78,4335 v1(5460,4137.78)
NetR366_1: R366.1 U5.9 | length 5430.3
  L1 w10: R366.1@811.01,5062.44 812.97,5062.44 1105.41,4770 3150,4770 3220,4700 3575,4700 3685.87,4589.13 3685.87,4583.63 v1(3800,4469.5) ; U5.9@5644.55,4008.74 5689.71,4008.74 5700.97,4020 v1(5705.57,4020)
  L2 w10: v1(3800,4469.5) 3824.5,4445 4420,4445 4505,4360 5290,4360 5490,4160 5490,4100.25 5550.25,4040 5638.88,4040 5658.88,4020 v1(5705.57,4020)
NetR367_1: R367.1 U5.10 | length 5806.7
  L1 w10: R367.1@468.49,5062.44 470.45,5062.44 897.89,4635 3287.44,4635 3400.44,4522 3627.5,4522 v1(3680,4469.5) ; U5.10@5644.55,3983.15 5693.32,3983.15 5705.17,3995 v1(5735,3995)
  L2 w10: v1(3680,4469.5) 3680,4465 3745,4400 4374.27,4400 4459.27,4315 5236.95,4315 5531.95,4020 5610.58,4020 5635.58,3995 v1(5735,3995)
NetR368_1: R368.1 U5.11 | length 5897.9
  L1 w10: R368.1@330.18,5062.44 332.14,5062.44 340.14,5054.44 340.14,5052.48 782.62,4610 3265,4610 3405.5,4469.5 v1(3610,4469.5) ; U5.11@5644.55,3957.56 5645.77,3958.78 5704.35,3958.78 v1(5705.57,3960)
  L2 w10: v1(3610,4469.5) 3610,4465 3700,4375 4365,4375 4450,4290 5226.28,4290 5521.28,3995 5585.12,3995 5620.12,3960 v1(5705.57,3960)
NetR377_1: R377.1 R385.1 R389.1 U15.3 | length 816.9
  L1 w20: U15.3@1195.05,6015 v1(1274.75,6015) ; v1(1299.75,5860) 1593.04,5860 1634.6,5818.44 R385.1@1634.6,5708.65 ; R377.1@1634.6,5600 R385.1@1634.6,5710
  L2 w20: v1(1274.75,6015) 1274.75,6013.11 1299.75,5988.11 v1(1299.75,5860)
NetR379_1: R379.1 R386.1 R390.1 U15.5 | length 776.8
  L1 w20: R379.1@1178.95,5600.08 1178.95,5628.4 1206.77,5656.22 1265.36,5656.22 1288.72,5679.57 R386.1@1288.72,5708.65 ; U15.5@1195.05,6115 1149.75,6115 1129.75,6095 1129.75,5870 1155.9,5843.85 1259.19,5843.85 1289.11,5813.93 R390.1@1289.11,5783.65 ; R386.1@1289.11,5708.04 R390.1@1289.11,5785
NetR381_1: R381.1 R387.1 R391.1 U15.10 | length 775
  L1 w20: R387.1@889.87,5706.69 R391.1@889.87,5785 ; R387.1@889.87,5708.65 889.87,5679.57 913.22,5656.22 971.82,5656.22 999.63,5628.4 999.63,5600.08 R381.1@999.71,5600 ; R391.1@889.87,5783.65 889.87,5814.27 919.45,5843.85 1019.64,5843.85 1045.79,5870 1045.79,6095 1025.79,6115 U15.10@980.48,6115
NetR383_1: R383.1 R388.1 R392.1 U15.12 | length 812.4
  L1 w20: R383.1@542.9,5600 542.9,5710 R392.1@542.9,5785 ; R392.1@542.9,5783.65 542.9,5817.3 585.6,5860 v1(875.79,5860) ; v1(900.79,6015) U15.12@980.48,6015
  L2 w20: v1(875.79,5860) 875.79,5988.11 v1@900.79,6013.11
NetU2_47: U2.47 U3.2 | length 559.3
  L1 w10: U2.47@4751.2,3880.79 4940.29,3880.79 v1(4965,3905.5) ; v1(4965,3981.72) 4965,3982.93 4984.55,4002.48 4984.55,4009.55 5038.43,4063.43 5182.87,4063.43 U3.2@5184.64,4065.19
  L2 w10: v1(4965,3905.5) v1(4965,3981.72)
NetU5_47: U5.47 U6.2 | length 548.3
  L1 w10: U5.47@6252.82,3880.79 6445.79,3880.79 6467.3,3902.3 6467.3,3928.1 v1(6470,3930.8) ; v1(6647.07,4041.22) 6650.32,4044.47 6669.89,4044.47 6688.84,4063.43 U6.2@6693.76,4063.43
  L2 w10: v1(6470,3930.8) 6470.15,3930.95 6470.15,3959.3 6552.07,4041.22 v1(6647.07,4041.22)
pads on no net: A1.CN7_1 A1.CN7_2 A1.CN7_3 A1.CN7_4 A1.CN7_5 A1.CN7_6 A1.CN7_7 A1.CN7_9 A1.CN7_10 A1.CN7_11 A1.CN7_12 A1.CN7_13 A1.CN7_14 A1.CN7_15 A1.CN7_16 A1.CN7_17 A1.CN7_18 A1.CN7_19 A1.CN7_20 A1.CN8_1 A1.CN8_2 A1.CN8_3 A1.CN8_4 A1.CN8_5 A1.CN8_6 A1.CN8_7 A1.CN8_8 A1.CN8_10 A1.CN8_12 A1.CN8_14 A1.CN8_16 A1.CN9_2 A1.CN9_3 A1.CN9_4 A1.CN9_5 A1.CN9_6 A1.CN9_7 A1.CN9_8 A1.CN9_9 A1.CN9_10 A1.CN9_11 A1.CN9_13 A1.CN9_15 A1.CN9_17 A1.CN9_24 A1.CN9_25 A1.CN9_26 A1.CN9_27 A1.CN9_28 A1.CN9_29 A1.CN9_30 A1.CN10_1 A1.CN10_2 A1.CN10_4 A1.CN10_6 A1.CN10_7 A1.CN10_8 A1.CN10_9 A1.CN10_10 A1.CN10_11 A1.CN10_12 A1.CN10_13 A1.CN10_14 A1.CN10_15 A1.CN10_16 A1.CN10_18 A1.CN10_19 A1.CN10_20 A1.CN10_21 A1.CN10_23 A1.CN10_24 A1.CN10_25 A1.CN10_26 A1.CN10_28 A1.CN10_30 A1.CN10_31 A1.CN10_32 A1.CN10_33 A1.CN10_34 J43.MH U2.18 U2.19 U3.3 U5.18 U5.19 U6.3

## Polygon pours and split planes (outlines as drawn)
GND on L2 "GND_Pour" (solid, pour order 0): 1355,7370 0,7370 0,24.61 9150,24.61 9150,7370
no net on L1 "NONET_L01_P001" (solid, pour order 1): 2005,234.54 2005,170 7181.18,170 7243.97,232.79 7243.97,233.97 7245,235 7245,170 7232.94,170